# Allegro board SDHCalFEB.brd (continued)
## Routing (per net, layer and track width the routed paths; a pad name or vN(x,y) marks a point on that pad's centre or on a via; arc(x,y) is an arc through that point) (continued)
V_BG_ASIC_B7: length 10.9
  TOP w0.305: v2(65.24,203.52) U520.70 65.24,200.95 65.09,200.8 C682.2 ; v2(67.32,197.71) R650.2
  GND1 w0.305: v3(67.32,198.45) v2(67.32,197.71) ; v2(65.24,203.52) v3(65.24,202.78)
  SIG3 w0.305: v3(65.24,202.78) 67.32,200.7 v3(67.32,198.45)
V_BG_ASIC_C1: length 10.5
  TOP w0.305: v2(305.27,123.51) U585.70 305.27,120.37 C769.2 ; v2(307.5,117.93) R733.2
  GND1 w0.305: v2(305.27,123.51) v3(305.27,122.77) ; v2(307.5,117.93) v3(307.5,118.67)
  SIG3 w0.305: v3(305.27,122.77) 307.5,120.54 v3(307.5,118.67)
V_BG_ASIC_C2: length 10.9
  TOP w0.254: v2(227.39,117.7) R817.2
  TOP w0.305: C856.2 225.26,120.42 U650.70 v2(225.26,123.51)
  GND1 w0.254: v2(225.26,123.51) v3(225.26,122.77) ; v3(227.39,118.44) v2(227.39,117.7)
  SIG3 w0.254: v3(227.39,118.44) 225.26,120.57 v3(225.26,122.77)
V_BG_ASIC_C3: length 10.9
  TOP w0.254: U715.70 v2(145.25,123.51) ; v2(147.42,117.68) R900.2
  TOP w0.305: U715.70 145.25,120.99 145.15,120.89 C943.2
  GND1 w0.254: v2(145.25,123.51) v3(145.25,122.77) ; v3(147.42,118.41) v2(147.42,117.68)
  SIG3 w0.254: v3(145.25,122.77) 145.25,120.59 v3(147.42,118.41)
V_BG_ASIC_C4: length 10.9
  TOP w0.305: v2(65.24,123.51) U780.70 65.24,120.97 65.09,120.82 C1030.2
  TOP w0.508: v2(67.42,117.68) R983.2
  GND1 w0.508: v2(67.42,117.68) 67.41,117.69 67.41,118.41 v3(67.41,118.41) ; v2(65.24,123.51) v3(65.24,122.77)
  SIG3 w0.508: v3(65.24,122.77) 65.24,120.59 v3(67.41,118.41)
V_BG_ASIC_D1: length 10.9
  TOP w0.305: C1117.2 305.1,40.66 305.27,40.83 U845.70 v2(305.27,43.5)
  TOP w0.508: R1066.2 v2(307.34,37.69)
  GND1 w0.508: v3(305.27,42.76) v2(305.27,43.5) ; v2(307.34,37.69) v3(307.34,38.43)
  SIG2 w0.508: v3(305.27,42.76) 305.27,40.5 v3(307.34,38.43)
V_BG_ASIC_D2: length 11.2
  TOP w0.305: v2(225.26,43.68) U910.70 225.26,40.8 225.11,40.66 C1203.2
  TOP w0.508: v2(227.34,37.72) R1150.2
  GND1 w0.508: v2(225.26,43.68) v3(225.26,42.94) ; v3(227.34,38.46) v2(227.34,37.72)
  SIG2 w0.508: v3(227.34,38.46) 225.26,40.54 v3(225.26,42.94)
V_BG_ASIC_D3: length 10.8
  TOP w0.254: R1233.2 v2(147.35,37.72)
  TOP w0.305: v2(145.25,43.5) U975.70 145.25,40.46 C1290.2
  GND1 w0.254: v3(145.25,42.76) v2(145.25,43.5) ; v2(147.35,37.72) v3(147.35,38.46)
  SIG2 w0.254: v3(145.25,42.76) 147.35,40.65 v3(147.35,38.46)
V_BG_ASIC_D4: length 10.9
  TOP w0.254: v2(67.34,37.67) R1316.2 ; U1040.70 v2(65.24,43.5)
  TOP w0.305: C1377.2 65.09,40.81 65.24,40.96 U1040.70
  GND1 w0.254: v2(67.34,37.67) v3(67.34,38.4) ; v2(65.24,43.5) v3(65.24,42.76)
  SIG2 w0.254: v3(67.34,38.4) 67.34,40.65 v3(65.24,42.76)
VAL_EVTN: length 46.3
  TOP w0.102: U1054.7 353.21,150.14 353.73,149.62 360.11,149.62 373.67,163.18 392.17,163.18 J34.B2
VAL_EVTN_A: length 288.1
  TOP w0.102: U65.94 313.64,293.62 313.43,293.4 312.78,293.4 v2(312.48,293.7) ; v2(236.7,293.7) 236.4,293.4 235.75,293.4 235.53,293.62 U130.94 ; v2(156.48,293.7) 156.18,293.4 155.74,293.4 155.52,293.62 U195.94 ; R2605.1 336.73,287.98 336.63,288.08 v2(336.63,288.52) ; R322.2 78.64,293.42 76.76,293.42 v2(76.47,293.7) 76.18,293.4 75.73,293.4 75.51,293.62 U260.94
  GND1 w0.102: v2(76.47,293.7) 76.77,293.4 77.53,293.4 v3(77.91,293.78) ; v2(336.63,288.52) 336.2,288.52 336.16,288.56 335.89,288.84 v3(335.89,289.36) ; v2(156.48,293.7) 156.78,293.4 157.48,293.4 v3(157.85,293.77) ; v2(312.48,293.7) 312.18,293.41 311.42,293.41 v3(311.05,293.78) ; v3(238.13,293.77) 237.76,293.4 237,293.4 v2(236.7,293.7)
  SIG2 w0.102: v3(335.89,289.36) 335.36,289.36 334.15,290.58 322.23,290.58 319.41,293.4 311.43,293.4 v3(311.05,293.78) 310.68,293.4 305.24,293.4 301.78,289.94 252.25,289.94 250.75,291.44 242.63,291.44 240.67,293.4 238.5,293.4 v3(238.13,293.77) 237.76,293.4 209.43,293.4 208.33,292.3 203.12,292.3 201.19,294.23 170.94,294.23 170.11,293.4 158.22,293.4 v3(157.85,293.77) 157.48,293.4 128.1,293.4 126.26,291.57 82.37,291.57 80.54,293.4 78.28,293.4 v3(77.91,293.78)
VAL_EVTN_B: length 287
  TOP w0.102: v2(232.67,213.69) 232.97,213.39 233.42,213.39 233.63,213.61 U390.94 ; v2(72.69,213.69) 72.99,213.39 73.4,213.39 73.61,213.61 U520.94 75.51,213.61 75.73,213.39 77.4,213.39 R655.2 ; v2(152.66,213.69) 152.96,213.39 153.41,213.39 153.62,213.61 U455.94 ; R2613.1 334.32,207.78 333.65,207.78 v2(333.36,208.08) ; v2(312.68,213.69) 312.98,213.39 313.43,213.39 313.64,213.61 U325.94
  GND1 w0.102: v2(72.69,213.69) 72.99,213.39 73.65,213.39 v3(74.02,213.76) ; v3(314.11,213.76) 313.74,213.39 312.98,213.39 v2(312.68,213.69) ; v2(333.36,208.08) 333.06,207.78 332.49,207.78 v3(332.11,208.15) ; v2(152.66,213.69) 152.96,213.39 153.56,213.39 v3(153.93,213.76) ; v3(234.1,213.76) 233.73,213.39 232.97,213.39 v2(232.67,213.69)
  SIG2 w0.102: v3(74.02,213.76) 74.42,213.37 100.27,213.37 101.32,214.43 124.05,214.43 125.09,213.39 153.56,213.39 v3(153.93,213.76) 154.3,213.39 178.7,213.39 179.71,214.4 203.89,214.4 204.93,213.36 233.7,213.36 v3(234.1,213.76) 234.48,213.39 255.35,213.39 257.25,211.48 287.3,211.48 289.21,213.39 313.74,213.39 v3(314.11,213.76) 314.5,213.37 318.94,213.37 320.71,211.59 327.01,211.59 330.83,207.78 331.74,207.78 v3(332.11,208.15)
VAL_EVTN_C: length 298.4
  TOP w0.102: R988.2 77.6,133.38 75.73,133.38 75.51,133.6 U780.94 73.61,133.6 73.4,133.38 72.95,133.38 v2(72.65,133.68) ; R2621.1 341.83,145.87 339.32,145.87 v2(339.04,146.15) ; U650.94 233.64,133.6 233.42,133.38 232.97,133.38 v2(232.67,133.68) ; U715.94 153.62,133.6 153.41,133.38 152.96,133.38 v2(152.66,133.68) ; v2(312.68,133.68) 312.98,133.38 313.43,133.38 313.65,133.6 U585.94
  GND1 w0.102: v2(152.66,133.68) 152.96,133.38 153.41,133.38 v3(153.78,133.75) ; v3(234.1,133.75) 233.73,133.38 232.97,133.38 v2(232.67,133.68) ; v2(312.68,133.68) 312.98,133.38 313.64,133.38 v3(314.01,133.75) ; v2(72.65,133.68) 72.95,133.38 73.43,133.38 v3(73.8,133.75) ; v3(337.79,146.24) 338.17,145.87 338.75,145.87 v2(339.04,146.15)
  SIG1 w0.102: v3(314.01,133.75) 314.38,133.38 320.05,133.38 332.53,145.87 337.42,145.87 v3(337.79,146.24)
  SIG2 w0.102: v3(73.8,133.75) 74.17,133.38 97.25,133.38 98.99,131.64 127.75,131.64 129.5,133.38 153.41,133.38 v3(153.78,133.75) 154.15,133.38 174.57,133.38 176.33,131.62 207.21,131.62 208.97,133.38 233.73,133.38 v3(234.1,133.75) 234.47,133.38 256.61,133.38 258.35,131.64 288,131.64 289.74,133.38 313.64,133.38 v3(314.01,133.75)
VAL_EVTN_D: length 288.6
  TOP w0.102: U975.94 153.63,53.59 153.41,53.37 152.96,53.37 v2(152.66,53.67) ; R1321.2 78.14,53.37 75.73,53.37 75.51,53.59 U1040.94 73.61,53.59 73.4,53.37 72.95,53.37 v2(72.65,53.67) ; v2(232.67,53.67) 232.97,53.37 233.42,53.37 233.64,53.59 U910.94 ; v2(312.68,53.67) 312.98,53.37 313.43,53.37 313.65,53.59 U845.94 315.54,53.59 315.76,53.37 320.92,53.37 323.09,51.21 334.03,51.21 339.65,56.82 339.67,56.82 R2629.1
  GND1 w0.102: v3(153.84,53.74) 153.47,53.37 152.96,53.37 v2(152.66,53.67) ; v2(72.65,53.67) 72.95,53.37 73.43,53.37 v3(73.8,53.74) ; v2(232.67,53.67) 232.97,53.37 233.45,53.37 v3(233.82,53.74) ; v2(312.68,53.67) 312.98,53.37 313.44,53.37 v3(313.81,53.74)
  SIG2 w0.102: v3(313.81,53.74) 313.44,53.37 234.19,53.37 v3(233.82,53.74) 233.45,53.37 154.21,53.37 v3(153.84,53.74) 153.46,53.37 74.18,53.37 v3(73.8,53.74)
VAL_EVTP: length 46.3
  TOP w0.102: U1054.6 353.21,148.87 353.75,149.4 360.2,149.4 373.76,162.96 392.17,162.96 J34.B1
VAL_EVTP_A: length 287.9
  TOP w0.102: v2(312.48,292.89) 312.78,293.19 313.43,293.19 313.64,292.97 U65.93 ; U130.93 235.53,292.97 235.75,293.19 236.4,293.19 v2(236.7,292.89) ; R2606.1 336.55,287.83 336.44,287.94 v2(336.05,287.94) ; v2(156.48,292.89) 156.18,293.19 155.74,293.19 155.52,292.97 U195.93 ; U260.93 75.51,292.97 75.73,293.19 76.18,293.19 v2(76.47,292.89) 76.79,293.2 78.65,293.2 R322.1
  GND1 w0.102: v3(335.21,288.68) 335.73,288.68 335.95,288.47 336.05,288.37 v2(336.05,287.94) ; v3(157.85,292.82) 157.48,293.19 156.78,293.19 v2(156.48,292.89) ; v2(76.47,292.89) 76.77,293.19 77.53,293.19 v3(77.91,292.82) ; v2(236.7,292.89) 237,293.19 237.76,293.19 v3(238.13,292.82) ; v3(311.05,292.82) 311.42,293.19 312.17,293.19 v2(312.48,292.89)
  SIG2 w0.102: v3(77.91,292.82) 78.28,293.19 80.45,293.19 82.28,291.35 126.35,291.35 128.19,293.19 157.48,293.19 v3(157.85,292.82) 158.22,293.19 170.2,293.19 171.03,294.02 201.1,294.02 203.03,292.09 208.42,292.09 209.52,293.19 237.76,293.19 v3(238.13,292.82) 238.5,293.19 240.58,293.19 242.54,291.22 250.66,291.22 252.16,289.73 301.87,289.73 305.33,293.19 310.68,293.19 v3(311.05,292.82) 311.41,293.18 319.32,293.18 322.14,290.36 334.06,290.36 335.21,289.21 v3(335.21,288.68)
VAL_EVTP_B: length 286.9
  TOP w0.102: R655.1 77.35,213.18 75.73,213.18 75.51,212.96 U520.93 73.61,212.96 73.4,213.18 72.99,213.18 v2(72.69,212.88) ; U455.93 153.62,212.96 153.41,213.18 152.96,213.18 v2(152.66,212.88) ; v2(312.68,212.88) 312.98,213.18 313.43,213.18 313.64,212.96 U325.93 ; U390.93 233.63,212.96 233.42,213.18 232.97,213.18 v2(232.67,212.88) ; R2614.1 334.32,207.56 333.65,207.56 v2(333.36,207.26)
  GND1 w0.102: v3(234.1,212.8) 233.73,213.18 232.97,213.18 v2(232.67,212.88) ; v3(314.11,212.81) 313.74,213.18 312.98,213.18 v2(312.68,212.88) ; v2(72.69,212.88) 72.99,213.18 73.65,213.18 v3(74.02,212.81) ; v3(153.93,212.8) 153.56,213.18 152.96,213.18 v2(152.66,212.88) ; v3(332.11,207.19) 332.49,207.56 333.06,207.56 v2(333.36,207.26)
  SIG2 w0.102: v3(74.02,212.81) 74.38,213.16 100.36,213.16 101.41,214.21 123.96,214.21 125,213.18 153.56,213.18 v3(153.93,212.8) 154.3,213.18 178.79,213.18 179.79,214.19 203.8,214.19 204.84,213.14 233.76,213.14 v3(234.1,212.8) 234.47,213.17 255.26,213.17 257.16,211.26 287.39,211.26 289.3,213.18 313.74,213.18 v3(314.11,212.81) 314.46,213.16 318.85,213.16 320.62,211.38 326.92,211.38 330.74,207.56 331.74,207.56 v3(332.11,207.19)
VAL_EVTP_C: length 298.4
  TOP w0.102: R2622.1 341.83,145.65 339.35,145.65 v2(339.04,145.34) ; v2(152.66,132.87) 152.96,133.17 153.41,133.17 153.62,132.95 U715.93 ; v2(232.67,132.87) 232.97,133.17 233.42,133.17 233.64,132.95 U650.93 ; R988.1 77.6,133.17 75.73,133.17 75.51,132.95 U780.93 73.61,132.95 73.4,133.17 72.95,133.17 v2(72.65,132.87) ; U585.93 313.65,132.95 313.43,133.17 312.98,133.17 v2(312.68,132.87)
  GND1 w0.102: v2(312.68,132.87) 312.98,133.17 313.64,133.17 v3(314.01,132.8) ; v2(339.04,145.34) 338.73,145.65 338.17,145.65 v3(337.79,145.28) ; v3(73.8,132.8) 73.43,133.17 72.95,133.17 v2(72.65,132.87) ; v2(232.67,132.87) 232.97,133.17 233.73,133.17 v3(234.1,132.8) ; v2(152.66,132.87) 152.96,133.17 153.41,133.17 v3(153.78,132.8)
  SIG1 w0.102: v3(314.01,132.8) 314.38,133.17 320.14,133.17 332.62,145.65 337.42,145.65 v3(337.79,145.28)
  SIG2 w0.102: v3(73.8,132.8) 74.17,133.17 97.16,133.17 98.9,131.43 127.84,131.43 129.59,133.17 153.41,133.17 v3(153.78,132.8) 154.15,133.17 174.48,133.17 176.24,131.41 207.3,131.41 209.06,133.17 233.73,133.17 v3(234.1,132.8) 234.47,133.17 256.52,133.17 258.26,131.43 288.09,131.43 289.83,133.17 313.64,133.17 v3(314.01,132.8)
VAL_EVTP_D: length 288.9
  TOP w0.102: v2(312.68,52.86) 312.98,53.16 313.43,53.16 313.65,52.94 U845.93 315.54,52.94 315.76,53.16 320.83,53.16 323,50.99 334.12,50.99 339.74,56.61 R2630.1 ; U975.93 153.62,52.94 153.41,53.16 152.96,53.16 v2(152.66,52.86) ; R1321.1 78.19,53.16 75.73,53.16 75.51,52.94 U1040.93 73.61,52.94 73.4,53.16 72.95,53.16 v2(72.65,52.86) ; v2(232.67,52.86) 232.97,53.16 233.42,53.16 233.64,52.94 U910.93
  GND1 w0.102: v3(233.82,52.78) 233.45,53.16 232.97,53.16 v2(232.67,52.86) ; v2(152.66,52.86) 152.96,53.16 153.47,53.16 v3(153.84,52.78) ; v3(73.8,52.78) 73.43,53.16 72.95,53.16 v2(72.65,52.86) ; v2(312.68,52.86) 312.98,53.16 313.44,53.16 v3(313.81,52.78)
  SIG2 w0.102: v3(73.8,52.78) 74.17,53.15 153.47,53.15 v3(153.84,52.78) 154.21,53.16 233.45,53.16 v3(233.82,52.78) 234.19,53.16 313.44,53.16 v3(313.81,52.78)
VREF1.25V: length 11.7
  TOP w0.254: 265.02,349 C1394.1 ; C1394.1 266.21,350.32 ; C1394.1 263.82,350.32 ; C1394.1 265.02,351.64 ; 266.39,347.21 U1041.6 265.68,346.72 ; 265.68,345.77 U1041.5
  TOP w0.305: U1041.5 U1041.6 268.26,346.72 C1393.1 268.74,347.21 U1044.6
VREF_DAC_ASIC_A1: length 2.1
  TOP w0.305: U65.71 305.92,280.4 C69.2
VREF_DAC_ASIC_A2: length 2.2
  TOP w0.305: C156.2 225.91,280.35 U130.71
VREF_DAC_ASIC_A3: length 2.2
  TOP w0.305: C243.2 145.9,280.31 U195.71
VREF_DAC_ASIC_A4: length 2.1
  TOP w0.305: U260.71 65.89,280.26 C330.2
VREF_DAC_ASIC_B1: length 2.2
  TOP w0.305: U325.71 305.92,200.99 306.04,200.87 C417.2
VREF_DAC_ASIC_B5: length 2.2
  TOP w0.305: U390.71 225.91,200.96 226.1,200.77 C504.2
VREF_DAC_ASIC_B6: length 2.1
  TOP w0.305: C591.2 146.09,200.97 145.9,201.17 U455.71
VREF_DAC_ASIC_B7: length 2.1
  TOP w0.305: U520.71 65.89,200.99 66.08,200.8 C678.2
VREF_DAC_ASIC_C1: length 2.1
  TOP w0.305: C765.2 306.21,120.81 305.92,121.11 U585.71
VREF_DAC_ASIC_C2: length 2.1
  TOP w0.305: U650.71 225.91,120.56 C852.2
VREF_DAC_ASIC_C3: length 2.1
  TOP w0.305: U715.71 145.9,121.01 146.14,120.76 C939.2
VREF_DAC_ASIC_C4: length 2.1
  TOP w0.305: C1026.2 66.13,120.81 65.89,121.06 U780.71
VREF_DAC_ASIC_D1: length 2.1
  TOP w0.305: U845.71 305.92,40.89 306.09,40.73 C1113.2
VREF_DAC_ASIC_D2: length 2.1
  TOP w0.305: C1200.2 226.1,40.7 225.91,40.89 U910.71
VREF_DAC_ASIC_D3: length 2.1
  TOP w0.305: C1287.2 145.9,40.53 U975.71
VREF_DAC_ASIC_D4: length 2.1
  TOP w0.305: C1374.2 66.08,40.88 65.89,41.07 U1040.71
VREF_PA_ASIC_A1: length 2.1
  TOP w0.305: U65.61 299.42,280.7 C67.2
VREF_PA_ASIC_A2: length 2.2
  TOP w0.305: C154.2 219.75,280.99 219.41,281.33 U130.61
VREF_PA_ASIC_A3: length 2.2
  TOP w0.305: C241.2 139.74,280.89 139.4,281.23 U195.61
VREF_PA_ASIC_A4: length 2.2
  TOP w0.305: U260.61 59.39,281.07 59.74,280.72 C328.2
VREF_PA_ASIC_B1: length 2.2
  TOP w0.305: U325.61 299.42,201.32 299.79,200.95 C415.2
VREF_PA_ASIC_B5: length 2.2
  TOP w0.305: C502.2 219.77,200.98 219.41,201.34 U390.61
VREF_PA_ASIC_B6: length 2.1
  TOP w0.305: C589.2 139.74,201.05 139.4,201.39 U455.61
VREF_PA_ASIC_B7: length 2.1
  TOP w0.305: U520.61 59.39,201.29 59.73,200.95 C676.2
VREF_PA_ASIC_C1: length 2.2
  TOP w0.305: C763.2 299.74,120.91 299.42,121.23 U585.61
VREF_PA_ASIC_C2: length 2.2
  TOP w0.305: C850.2 219.75,121.01 219.41,121.36 U650.61
VREF_PA_ASIC_C3: length 2.1
  TOP w0.254: U715.61 139.4,121.31 139.72,120.99 C937.2
VREF_PA_ASIC_C4: length 2.1
  TOP w0.305: C1024.2 59.73,120.7 59.39,121.04 U780.61
VREF_PA_ASIC_D1: length 2.1
  TOP w0.305: C1111.2 299.76,40.8 299.42,41.14 U845.61
VREF_PA_ASIC_D2: length 2.1
  TOP w0.305: U910.61 219.41,41.22 219.73,40.9 C1198.2
VREF_PA_ASIC_D3: length 2.1
  TOP w0.305: U975.61 139.4,41.2 139.72,40.88 C1285.2
VREF_PA_ASIC_D4: length 2.1
  TOP w0.305: C1372.2 59.71,40.85 59.39,41.17 U1040.61
VREF_SH_ASIC_A1: length 2.3
  TOP w0.305: C68.2 300.75,280.83 300.07,281.52 U65.62
VREF_SH_ASIC_A2: length 2.3
  TOP w0.305: C155.2 220.71,280.91 220.06,281.57 U130.62
VREF_SH_ASIC_A3: length 2.3
  TOP w0.305: C242.2 140.73,280.76 140.05,281.44 U195.62
VREF_SH_ASIC_A4: length 2.3
  TOP w0.305: C329.2 60.73,280.77 60.04,281.47 U260.62
VREF_SH_ASIC_B1: length 2.3
  TOP w0.305: U325.62 300.07,201.56 300.78,200.85 C416.2
VREF_SH_ASIC_B5: length 2.3
  TOP w0.305: U390.62 220.06,201.48 220.76,200.77 C503.2
VREF_SH_ASIC_B6: length 2.3
  TOP w0.305: U455.62 140.05,201.51 140.73,200.82 C590.2
VREF_SH_ASIC_B7: length 2.3
  TOP w0.305: U520.62 60.04,201.51 60.75,200.8 C677.2
VREF_SH_ASIC_C1: length 2.3
  TOP w0.305: U585.62 300.07,121.49 300.73,120.84 C764.2
VREF_SH_ASIC_C2: length 2.3
  TOP w0.305: C851.2 220.74,120.86 220.06,121.55 U650.62
VREF_SH_ASIC_C3: length 2.3
  TOP w0.254: C938.2 140.71,120.84 140.05,121.5 U715.62
VREF_SH_ASIC_C4: length 2.3
  TOP w0.305: C1025.2 60.72,120.71 60.04,121.39 U780.62
VREF_SH_ASIC_D1: length 2.3
  TOP w0.305: U845.62 300.07,41.41 300.75,40.73 C1112.2
VREF_SH_ASIC_D2: length 2.3
  TOP w0.305: U910.62 220.06,41.46 220.72,40.8 C1199.2
VREF_SH_ASIC_D3: length 2.3
  TOP w0.305: C1286.2 140.73,40.75 140.05,41.44 U975.62
VREF_SH_ASIC_D4: length 2.3
  TOP w0.305: U1040.62 60.04,41.44 60.7,40.78 C1373.2
VTH0_ASIC_A1: length 2.2
  TOP w0.305: U65.79 311.12,280.85 311.61,280.36 C71.2
VTH0_ASIC_A2: length 2.3
  TOP w0.305: C158.2 231.58,280.84 231.11,281.31 U130.79
VTH0_ASIC_A3: length 2.3
  TOP w0.305: C245.2 151.88,280.78 151.1,281.57 U195.79
VTH0_ASIC_A4: length 2.4
  TOP w0.305: C332.2 71.81,280.75 71.09,281.47 U260.79
VTH0_ASIC_B1: length 2.5
  TOP w0.305: C419.2 311.78,200.77 311.12,201.43 U325.79
VTH0_ASIC_B5: length 2.4
  TOP w0.305: C506.2 231.91,200.67 231.11,201.48 U390.79
VTH0_ASIC_B6: length 2.3
  TOP w0.305: U455.79 151.1,201.53 151.81,200.82 C593.2
VTH0_ASIC_B7: length 2.3
  TOP w0.305: U520.79 71.09,201.46 71.87,200.67 C680.2
VTH0_ASIC_C1: length 2.3
  TOP w0.305: C767.2 311.93,120.61 311.12,121.42 U585.79
VTH0_ASIC_C2: length 2.4
  TOP w0.305: C854.2 231.82,120.58 231.11,121.29 U650.79
VTH0_ASIC_C3: length 2.3
  TOP w0.305: U715.79 151.1,121.37 151.76,120.71 C941.2
VTH0_ASIC_C4: length 2.3
  TOP w0.305: C1028.2 71.85,120.68 71.09,121.44 U780.79
VTH0_ASIC_D1: length 2.3
  TOP w0.305: C1115.2 311.83,40.62 311.12,41.33 U845.79
VTH0_ASIC_D2: length 2.3
  TOP w0.305: U910.79 231.11,41.2 231.74,40.57 C1204.2
VTH0_ASIC_D3: length 2.2
  TOP w0.305: C1291.2 151.65,40.73 151.1,41.28 U975.79
VTH0_ASIC_D4: length 2.3
  TOP w0.305: C1378.2 71.67,40.85 71.09,41.43 U1040.79
VTH1_ASIC_A1: length 2.1
  TOP w0.305: U65.78 310.47,280.54 C74.2
VTH1_ASIC_A2: length 2.2
  TOP w0.305: U130.78 230.46,280.79 230.59,280.66 C161.2
VTH1_ASIC_A3: length 2.2
  TOP w0.305: C248.2 150.89,280.91 150.45,281.35 U195.78
VTH1_ASIC_A4: length 2.3
  TOP w0.305: U260.78 70.44,281.12 70.82,280.75 C335.2
VTH1_ASIC_B1: length 2.3
  TOP w0.305: U325.78 310.47,201.06 310.79,200.74 C422.2
VTH1_ASIC_B5: length 2.2
  TOP w0.305: C509.2 230.92,200.7 230.46,201.16 U390.78
VTH1_ASIC_B6: length 2.2
  TOP w0.305: U455.78 150.45,201.27 150.82,200.9 C596.2
VTH1_ASIC_B7: length 2.2
  TOP w0.305: U520.78 70.44,201.29 70.88,200.85 C683.2
VTH1_ASIC_C1: length 2.2
  TOP w0.305: C770.2 310.94,120.76 310.47,121.23 U585.78
VTH1_ASIC_C2: length 2.3
  TOP w0.305: C857.2 230.83,120.71 230.46,121.08 U650.78
VTH1_ASIC_C3: length 2.2
  TOP w0.305: U715.78 150.45,121.23 150.74,120.94 C944.2
VTH1_ASIC_C4: length 2.2
  TOP w0.305: C1031.2 70.83,120.76 70.44,121.15 U780.78
VTH1_ASIC_D1: length 2.2
  TOP w0.305: C1118.2 310.84,40.7 310.47,41.07 U845.78
VTH1_ASIC_D2: length 2.2
  TOP w0.305: C1202.2 230.75,40.67 230.46,40.97 U910.78
VTH1_ASIC_D3: length 2.1
  TOP w0.305: U975.78 150.45,41.07 150.66,40.85 C1289.2
VTH1_ASIC_D4: length 2.1
  TOP w0.305: C1376.2 70.68,40.88 70.44,41.12 U1040.78
VTH2_ASIC_A1: length 2.1
  TOP w0.305: C72.2 309.82,280.47 U65.77
VTH2_ASIC_A2: length 2.2
  TOP w0.305: C159.2 229.63,280.66 229.81,280.84 U130.77
VTH2_ASIC_A3: length 2
  TOP w0.305: U195.77 149.8,280.45 C246.2
VTH2_ASIC_A4: length 2.1
  TOP w0.305: C333.2 69.79,280.28 U260.77
VTH2_ASIC_B1: length 2.2
  TOP w0.305: C420.2 309.82,200.17 U325.77
VTH2_ASIC_B5: length 2.1
  TOP w0.305: C507.2 229.93,201.03 229.81,201.15 U390.77
VTH2_ASIC_B6: length 2
  TOP w0.305: U455.77 149.8,200.33 C594.2
VTH2_ASIC_B7: length 2
  TOP w0.305: C681.2 69.89,201.13 69.79,201.23 U520.77
VTH2_ASIC_C1: length 2.1
  TOP w0.305: C768.2 309.95,120.96 309.82,121.09 U585.77
VTH2_ASIC_C2: length 2.1
  TOP w0.305: C855.2 229.81,120.25 U650.77
VTH2_ASIC_C3: length 2.1
  TOP w0.305: C942.2 149.8,120.32 U715.77
VTH2_ASIC_C4: length 2.1
  TOP w0.305: U780.77 69.79,120.35 C1029.2
VTH2_ASIC_D1: length 2.1
  TOP w0.305: U845.77 309.82,40.29 C1116.2
VTH2_ASIC_D2: length 2.1
  TOP w0.305: C1205.2 229.81,40.36 U910.77
VTH2_ASIC_D3: length 2.1
  TOP w0.305: C1292.2 149.8,40.43 U975.77
VTH2_ASIC_D4: length 2.1
  TOP w0.305: C1379.2 69.79,40.38 U1040.77
N224768: length 18.2
  TOP w0.254: C1461.1 378.35,106.67 ; C1461.1 377.6,105.99 ; C1461.1 376.85,106.67 ; L2.1 371.74,107.63 ; L2.1 373.51,106.69 ; L2.1 369.98,106.69 ; L2.1 371.74,105.75 ; C1467.2 375.29,102.18 ; C1467.2 374.71,102.81 ; C1467.2 374.71,101.56 ; C1467.2 374.12,102.18 ; U1076.20 379.11,105.26 ; U1076.20 U1076.19 ; U1076.20 378.81,104.67 ; 374.14,103.68 R2515.1 ; R2515.1 374.7,104.27 ; R2515.1 375.26,103.68 ; R2515.1 374.7,103.1 ; 377.78,103.92 U1076.1 378.36,104.23 ; 374.23,106.68 C1463.1 ; C1463.1 375.23,105.8 ; C1463.1 376.24,106.68 ; 378.85,106.67 C1462.1
N224788: length 2.1
  TOP w0.203: C1468.1 381.89,102.9 U1076.13
N224836: length 2.4
  TOP w0.203: C1467.1 376.97,102.92 U1076.3
N224884: length 2.6
  TOP w0.203: U1076.12 382.62,102.42 383.64,101.4 R2513.2
N225120: length 3.3
  TOP w0.203: R2520.2 376.58,100.3 378.2,101.92 U1076.5
N225194: length 2.2
  TOP w0.203: R2521.2 378,99.67 379.11,100.78 U1076.6
N225214: length 1.8
  TOP w0.203: U1076.7 379.61,100.72 379.43,100.53 R2522.2
N225218: length 1.8
  TOP w0.203: R2523.2 380.85,100.48 380.61,100.72 U1076.9
N225222: length 2.2
  TOP w0.203: R2524.2 382.27,99.67 381.11,100.83 U1076.10
N225226: length 3.5
  TOP w0.203: R2525.2 383.26,99.87 383.26,100.91 382.25,101.92 U1076.11
N229854: length 2.4
  TOP w0.508: D6.1 R2512.1
N266042: length 3.6
  TOP w0.406: R1354.2 R1352.2 241.89,352.57 U1045.6
N332832: length 147.9
  TOP w0.102: R2623.2 322.1,57.27 322.81,57.27 v2(323.11,57.57) ; U1057.16 348.28,177.39 348.81,177.92 349.45,177.92 v1(349.75,177.62)
  GND1 w0.102: v2(323.11,57.57) 323.41,57.27 324.17,57.27 v3(324.54,57.64)
  SIG2 w0.102: v3(324.54,57.64) 324.92,57.27 333.44,57.27 341.41,65.24 341.41,172.61 344.69,175.88 346.97,175.88 arc(347.12,175.94) 347.18,176.09 347.18,176.15 arc(347.38,176.35) 347.58,176.15 347.58,176.09 arc(347.64,175.94) 347.79,175.88 350.08,175.88 350.74,176.54 350.74,177.68 350.5,177.92 350.05,177.92 v1(349.75,177.62)
N332842: length 148
  TOP w0.102: U1057.15 348.28,178.66 348.81,178.14 349.45,178.14 v1(349.75,178.44) ; v2(323.11,56.76) 322.81,57.05 322.1,57.05 R2624.2
  GND1 w0.102: v2(323.11,56.76) 323.41,57.05 324.17,57.05 v3(324.54,56.68)
  SIG2 w0.102: v1(349.75,178.44) 350.05,178.14 350.59,178.14 350.95,177.77 350.95,176.45 350.17,175.67 344.78,175.67 341.63,172.52 341.63,65.15 333.53,57.05 324.92,57.05 v3(324.54,56.68)
N332856: length 130.1
  TOP w0.102: R2625.2 326.46,56.03 326.56,55.93 326.56,55.51 326.67,55.4 327.43,55.4 v2(327.72,55.7) ; U1055.16 348.31,165.63 348.86,166.18 349.61,166.18 v1(349.92,165.86)
  GND1 w0.102: v2(327.72,55.7) 328.02,55.4 328.6,55.4 v3(328.97,55.78)
  SIG2 w0.102: v3(328.97,55.78) 329.34,55.4 330.03,55.4 330.89,56.26 333.65,56.26 342.28,64.89 342.28,155.87 349.15,162.74 arc(349.21,162.89) 349.15,163.03 349.1,163.09 arc(349.1,163.37) 349.39,163.37 349.44,163.32 arc(349.59,163.26) 349.73,163.32 350.69,164.28 350.69,165.8 350.32,166.16 350.22,166.16 v1(349.92,165.86)
N332862: length 130.2
  TOP w0.102: v2(327.72,54.89) 327.43,55.19 326.67,55.19 326.56,55.09 326.56,54.66 326.46,54.56 R2626.2 ; U1055.15 348.34,166.9 348.85,166.4 349.64,166.4 v1(349.92,166.68)
  GND1 w0.102: v2(327.72,54.89) 328.02,55.19 328.6,55.19 v3(328.97,54.82)
  SIG2 w0.102: v1(349.92,166.68) 350.22,166.38 350.41,166.38 350.9,165.89 350.9,164.19 342.49,155.78 342.49,64.8 333.74,56.05 330.98,56.05 330.12,55.19 329.34,55.19 v3(328.97,54.82)
N332880: length 122
  TOP w0.102: v1(349.61,154.1) 349.32,154.39 348.81,154.39 348.28,153.87 U1056.16 ; R2627.2 330.17,53.09 330.54,53.09 331.02,53.58 v2(331.02,54.05)
  GND1 w0.102: v3(331.87,55) 331.87,54.48 331.45,54.05 v2(331.02,54.05)
  SIG2 w0.102: v3(331.87,55) 332.4,55 332.69,55.3 335.61,55.3 343.14,62.83 343.14,147.89 344.31,149.06 349.19,149.06 350.2,150.07 arc(350.26,150.21) 350.2,150.36 350.15,150.4 arc(350.15,150.69) 350.44,150.69 350.48,150.64 arc(350.63,150.58) 350.77,150.64 352.08,151.96 352.08,154.06 351.74,154.4 349.91,154.4 v1(349.61,154.1)
N332886: length 122.1
  TOP w0.102: v2(331.6,53.48) 331.23,53.48 330.63,52.88 330.17,52.88 R2628.2 ; U1056.15 348.28,155.14 348.82,154.61 349.31,154.61 v1(349.61,154.91)
  GND1 w0.102: v2(331.6,53.48) 331.6,53.9 331.84,54.14 332.02,54.33 v3(332.55,54.33)
  SIG2 w0.102: v1(349.61,154.91) 349.91,154.62 351.83,154.62 352.3,154.15 352.3,151.87 349.28,148.84 344.4,148.84 343.36,147.8 343.36,62.74 335.7,55.08 332.78,55.08 332.55,54.85 v3(332.55,54.33)
N332904: length 95.8
  TOP w0.102: U1054.16 348.31,142.52 348.84,143.05 349.43,143.05 v1(349.73,142.75) ; v1(342.27,59.76) 342.27,59.34 341.66,58.72 R2629.2
  SIG2 w0.102: v1(342.27,59.76) 342.69,59.76 344.02,61.08 344.02,138.89 346.16,141.03 348.04,141.03 arc(348.16,141.08) 348.21,141.2 arc(348.26,141.33) 348.39,141.38 348.45,141.38 arc(348.57,141.33) 348.62,141.2 arc(348.67,141.08) 348.79,141.03 350.2,141.03 350.91,141.74 350.91,142.76 350.63,143.05 350.03,143.05 v1(349.73,142.75)
N332910: length 95.9
  TOP w0.102: U1054.15 348.31,143.79 348.84,143.26 349.43,143.26 v1(349.73,143.56) ; v1(342.85,59.18) 342.42,59.18 341.83,58.59 341.83,57.68
  SIG2 w0.102: v1(349.73,143.56) 350.03,143.26 350.72,143.26 351.13,142.85 351.13,141.66 350.29,140.82 346.25,140.82 344.23,138.8 344.23,60.99 342.85,59.61 v1(342.85,59.18)
N1277074: length 112.4
  TOP w0.102: U1057.9 346.79,186.28 346.26,185.76 345.54,185.76 345.11,186.18 345.11,294.37 344.75,294.73 R2599.2
N1277078: length 112.6
  TOP w0.102: U1057.10 346.79,185.01 346.26,185.54 345.45,185.54 344.89,186.09 344.89,294.28 344.59,294.57 343.68,294.57
N1277196: length 123
  TOP w0.102: R2601.2 342.6,292.56 344.11,291.05 344.11,175.25 345.36,174 346.23,174 346.76,174.52 U1055.9
N1277200: length 123.2
  TOP w0.102: U1055.10 346.76,173.25 346.23,173.78 345.27,173.78 343.89,175.16 343.89,290.96 342.51,292.34 R2602.2
N1277502: length 131.1
  TOP w0.102: U1056.9 346.76,162.76 346.23,162.24 344.9,162.24 343.28,163.86 343.28,287.56 342.34,288.5 R2603.2
N1277506: length 131.3
  TOP w0.102: R2604.2 342.18,288.35 343.07,287.47 343.07,163.77 344.81,162.02 346.23,162.02 346.76,161.49 U1056.10
N1277510: length 141.7
  TOP w0.102: R2605.2 338.69,286.07 342.43,282.33 342.43,152.82 344.36,150.89 346.21,150.89 346.74,151.41 U1054.9
N1277514: length 142
  TOP w0.102: U1054.10 346.76,150.14 346.23,150.67 344.27,150.67 342.21,152.73 342.21,282.24 338.61,285.85 R2606.2
N1278164: length 51.1
  TOP w0.102: R2607.2 337.47,216.94 341.24,216.94 v1(341.55,217.25) ; v1(349.92,182.7) 349.63,183 348.81,183 348.28,182.47 U1057.12
  BOTTOM w0.102: v1(341.55,217.25) 341.85,216.95 342.51,216.95 343.69,215.77 343.69,188.9 344.94,187.64 350.05,187.64 351.74,185.95 351.74,183.95 350.79,183 350.22,183 v1(349.92,182.7)
N1278168: length 51
  TOP w0.102: v1(341.55,216.44) 341.27,216.72 337.47,216.72 R2608.2 ; U1057.11 348.28,183.74 348.81,183.22 349.63,183.22 v1(349.92,183.52)
  BOTTOM w0.102: v1(341.55,216.44) 341.85,216.74 342.42,216.74 343.47,215.68 343.47,188.81 344.85,187.43 348.48,187.43 arc(348.63,187.37) 348.69,187.22 348.69,187.12 arc(348.89,186.92) 349.09,187.12 349.09,187.22 arc(349.15,187.37) 349.3,187.43 349.96,187.43 351.52,185.86 351.52,184.04 350.7,183.22 350.22,183.22 v1(349.92,183.52)
N1278184: length 56.7
  TOP w0.102: U1055.12 348.28,170.71 348.81,171.24 349.38,171.24 v1(349.68,170.94) ; R2609.2 340.65,214.65 341.19,214.65 v1(341.45,214.91)
  BOTTOM w0.102: v1(349.68,170.94) 349.97,171.24 350.64,171.24 351.14,171.74 351.14,174.94 350.38,175.7 344.95,175.7 342.57,178.08 342.57,214.15 342.11,214.6 341.76,214.6 v1(341.45,214.91)
N1278188: length 56.6
  TOP w0.102: R2610.2 340.65,214.43 341.12,214.43 v1(341.45,214.1) ; U1055.11 348.28,171.98 348.81,171.46 349.38,171.46 v1(349.68,171.76)
  BOTTOM w0.102: v1(349.68,171.76) 349.97,171.46 350.55,171.46 350.93,171.83 350.93,174.85 350.29,175.49 349.85,175.49 arc(349.7,175.43) 349.64,175.29 349.64,175.23 arc(349.44,175.03) 349.24,175.23 349.24,175.29 arc(349.18,175.43) 349.03,175.49 344.86,175.49 342.35,177.99 342.35,214.06 342.02,214.39 341.74,214.39 v1(341.45,214.1)
N1278252: length 66.2
  TOP w0.102: v1(349.73,159.18) 349.43,159.48 348.81,159.48 348.28,158.95 U1056.12 ; R2611.2 338.21,211.45 339.1,211.45 339.34,211.21 v1(339.76,211.21)
  BOTTOM w0.102: v1(349.73,159.18) 350.03,159.48 350.41,159.48 350.89,159.96 350.89,162.14 349.07,163.96 342.67,163.96 340.58,166.05 340.58,209.97 339.76,210.79 v1(339.76,211.21)
N1278272: length 66.2
  TOP w0.102: R2612.2 338.21,211.23 339.01,211.23 339.19,211.06 v1(339.19,210.63) ; U1056.11 348.28,160.22 348.81,159.7 349.43,159.7 v1(349.73,159.99)
  BOTTOM w0.102: v1(349.73,159.99) 350.03,159.7 350.32,159.7 350.68,160.05 350.68,162.05 348.98,163.74 348.35,163.74 arc(348.2,163.68) 348.14,163.54 348.14,163.42 arc(347.94,163.22) 347.74,163.42 347.74,163.54 arc(347.68,163.68) 347.53,163.74 342.58,163.74 340.36,165.96 340.36,209.88 339.61,210.63 v1(339.19,210.63)
N1278276: length 74.4
  TOP w0.102: v1(339.78,206.68) 339.48,206.98 339.48,207.42 339.12,207.78 337.1,207.78 R2613.2 ; U1054.12 348.28,147.6 348.81,148.13 349.57,148.13 v1(349.87,147.83)
  BOTTOM w0.102: v1(349.87,147.83) 350.17,148.13 350.77,148.13 351.41,148.77 351.41,149.86 347.22,154.05 342.85,154.05 339.5,157.4 339.5,206.4 v1(339.78,206.68)
N1278280: length 73.7
  TOP w0.102: R2614.2 337.1,207.56 339.03,207.56 339.26,207.33 339.26,206.98 v1(338.96,206.68) ; U1054.11 348.28,148.87 348.81,148.34 349.57,148.34 v1(349.87,148.64)
  BOTTOM w0.102: v1(349.87,148.64) 350.17,148.34 350.68,148.34 351.19,148.86 351.19,149.77 347.13,153.84 342.76,153.84 339.28,157.32 339.28,206.36 v1(338.96,206.68)
N1279382: length 22.9
  TOP w0.102: U1057.13 346.76,181.2 346.23,180.68 345.73,180.68 v1(345.43,180.98) ; v2(331.3,170.65) 331.3,170.16 331.04,169.9 R2615.2
  GND1 w0.102: v3(331.97,171.41) 331.97,170.88 331.74,170.65 v2(331.3,170.65)
  SIG1 w0.102: v1(345.43,180.98) 345.13,180.68 341.76,180.68 332.49,171.41 v3(331.97,171.41)
N1279386: length 22.9
  TOP w0.102: R2616.2 331.21,169.76 331.52,170.08 v2(331.88,170.08) ; v1(345.43,180.16) 345.73,180.46 346.23,180.46 346.76,179.93 U1057.14
  GND1 w0.102: v2(331.88,170.08) 331.88,170.48 332.12,170.73 v3(332.65,170.73)
  SIG1 w0.102: v1(345.43,180.16) 345.13,180.46 342.8,180.46 arc(342.72,180.43) 342.69,180.35 arc(342.65,180.27) 342.57,180.24 342.39,180.24 arc(342.31,180.27) 342.28,180.35 arc(342.25,180.43) 342.17,180.46 341.85,180.46 332.65,171.26 v3(332.65,170.73)
N1279402: length 49.5
  TOP w0.102: v1(345.42,169.22) 345.72,168.92 346.23,168.92 346.76,169.44 U1055.13 ; R2617.2 321.38,135.92 321.95,135.92 322.44,136.41 322.44,138.77 322.98,139.31 v2(322.98,139.73)
  GND1 w0.102: v2(322.98,139.73) 323.4,139.73 323.62,139.95 324.12,140.45 v3(324.12,140.98)
  SIG1 w0.102: v3(324.12,140.98) 324.65,140.98 325.68,142.01 325.68,152.91 341.69,168.92 345.12,168.92 v1(345.42,169.22)
N1279406: length 49.5
  TOP w0.102: v1(345.42,168.4) 345.72,168.7 346.23,168.7 346.76,168.17 U1055.14 ; v2(323.55,139.16) 323.13,139.16 322.66,138.68 322.66,136.32 322.04,135.71 321.38,135.71 R2618.2
  GND1 w0.102: v3(324.8,140.3) 324.27,140.3 323.55,139.58 v2(323.55,139.16)
  SIG1 w0.102: v1(345.42,168.4) 345.12,168.7 341.78,168.7 325.89,152.82 325.89,141.92 324.8,140.83 v3(324.8,140.3)
N1279470: length 4.9
  TOP w0.102: U1056.13 346.74,157.68 346.21,157.16 345.19,157.16 344.61,156.58 344.61,155.97 R2619.2
N1279490: length 4.5
  TOP w0.102: U1056.14 346.71,156.41 346.18,156.94 345.28,156.94 344.83,156.49 344.83,156.01 R2620.2
N1279494: length 4
  TOP w0.102: U1054.13 346.68,146.33 346.22,145.87 344.63,145.87 R2621.2
N1279498: length 4
  TOP w0.102: U1054.14 346.81,145.06 346.22,145.65 344.63,145.65 R2622.2
N1484073: length 7.6
  TOP w0.127: R2596.1 J68.1
N2248761: length 2.2
  TOP w0.203: U1076.2 376.89,103.42 376.63,103.68 R2515.2
N10357042: length 25.7
  TOP w0.127: R1352.1 219.79,354.63 R1353.2
  TOP w0.406: R1352.1 240.63,354.38 U1045.7
N10357278: length 3.7
  TOP w0.406: R1345.2 R1347.2 240.63,345.51 U1045.2
N10357291: length 23.2
  TOP w0.127: R1347.1 218.24,345.49 R1346.2
  TOP w0.406: U1045.1 239.36,345.72 R1347.1
N10359702: length 3.6
  TOP w0.127: R1361.2 R1363.1
  TOP w0.406: U1048.7 196.04,353.21 R1363.1
N10359726: length 3.2
  TOP w0.406: U1048.6 196.69,354.09 R1363.2 R1364.2
N10360290: length 3.2
  TOP w0.406: U1048.2 196.04,345.79 R1356.2 R1355.2
N10360314: length 3.6
  TOP w0.127: R1359.2 R1356.1
  TOP w0.406: U1048.1 195.39,346.67 R1356.1
N10371573: length 1.6
  TOP w0.127: R1349.1 267.46,353.89 U1044.4
N10371607: length 1.7
  TOP w0.127: R1350.2 270.01,346.79 U1044.7
N10371876: length 15.9
  TOP w0.127: R1358.2 211.19,345.85 R1357.2 196.69,346.93 U1048.3
N10371884: length 13
  TOP w0.127: U1048.5 197.36,352.38 R1362.2 198.79,352.58 R1360.2
N16629690: length 2.1
  TOP w0.813: J33.B28 390.58,132.97 R1365.1
N16629718: length 2.1
  TOP w0.813: R1367.1 390.58,135.51 J33.B30
N16632302: length 1.7
  TOP w0.127: J34.A31 v1(394.75,200.54)
  BOTTOM w0.508: R1370.2 395.7,200.54 v1(394.75,200.54)
N16632314: length 1.8
  TOP w0.305: J34.A37 v1(394.75,208.16)
  BOTTOM w0.305: v1(394.75,208.16) 394.75,208.15 R1371.2
N16632330: length 1.7
  TOP w0.305: J34.A39 v1(394.75,210.7)
  BOTTOM w0.305: R1373.2 395.7,210.7 v1(394.75,210.7)
N16632396: length 2.1
  TOP w0.508: R1372.1 390.58,209.43 J34.B38
N16632400: length 2.1
  TOP w0.813: R1374.1 390.58,211.97 J34.B40
N16654329: length 2.1
  TOP w0.813: J35.B28 390.58,260.48 R1366.1
N16654333: length 2.1
  TOP w0.813: J35.B30 390.59,263.02 R1368.1
N16706372: length 2.4
  TOP w0.127: R1341.1 D1.1
N16706987: length 2.4
  TOP w0.127: R1342.1 D2.1
N16707063: length 2.4
  TOP w0.127: R1343.1 D3.1
N16707139: length 2.4
  TOP w0.127: R1344.1 D4.1
N16754290: length 21.5
  TOP w0.254: 372.98,289.37 L3.1 ; L3.1 373.92,291.14 ; L3.1 373.92,287.6 ; L3.1 374.86,289.37 ; 375.63,289.36 C1471.1 ; C1471.1 376.63,288.48 ; C1471.1 377.64,289.36 ; C1471.1 376.63,290.23 ; R2536.1 376.58,286.51 ; R2536.1 376.02,285.93 ; R2536.1 375.46,286.51 ; R2536.1 376.02,287.1 ; C1469.1 378.97,290.04 ; C1469.1 379.72,289.35 ; C1469.1 378.97,288.66 ; C1469.1 378.22,289.35 ; 375.44,285.01 C1475.2 ; C1475.2 376.61,285.01 ; C1475.2 376.02,285.64 ; C1475.2 376.02,284.39 ; 380.15,287.2 U1077.20 ; U1077.20 U1077.19 ; U1077.20 380.46,287.78 ; U1077.19 380.96,287.65 380.54,288.06 ; U1077.19 380.65,287.78 ; 379.12,286.45 U1077.1 379.71,286.75 ; 380.22,289.35 C1470.1
N16754310: length 2.4
  TOP w0.127: C1476.1 385.49,285.45 U1077.13
N16754358: length 2.3
  TOP w0.127: U1077.3 378.28,285.45 377.85,285.01 C1475.1
N16754406: length 2.8
  TOP w0.127: R2531.2 384.5,284.95 U1077.12
N16754610: length 3.6
  TOP w0.127: R2539.2 378.49,282.47 378.49,283.74 379.19,284.45 U1077.5
N16754668: length 2.3
  TOP w0.127: R2540.2 380.46,283.02 U1077.6
N16754688: length 1.9
  TOP w0.127: U1077.7 380.96,282.1 R2541.2
N16754708: length 1.9
  TOP w0.127: R2542.2 381.96,282.1 U1077.9
N16754712: length 2.3
  TOP w0.127: R2543.2 382.46,283.02 U1077.10
N16754716: length 3.5
  TOP w0.127: U1077.11 383.63,284.45 384.35,283.72 384.35,282.55 R2544.2
N16832061: length 3.4
  TOP w0.254: U1078.2 344.13,323.54 R2557.2 343.93,321.85 R2558.1
N16833922: length 3.4
  TOP w0.254: R2560.1 346.93,323.39 R2559.2 346.73,323.59 U1078.6
N16834415: length 3.3
  TOP w0.254: U1078.13 344.13,333.47 R2563.2 344.13,333.48 R2564.1
N16836319: length 3.3
  TOP w0.254: R2566.1 348.25,238.05 R2565.2 348.45,239.75 U1079.2
N16842604: length 3.3
  TOP w0.254: R2568.1 351.24,238.1 R2567.2 351.05,239.79 U1079.6
N16842803: length 3.5
  TOP w0.254: R2570.1 351.04,249.79 R2569.2 351.05,249.77 U1079.9
N16843003: length 3.5
  TOP w0.254: U1079.13 348.45,249.8 R2571.2 348.45,249.81 R2572.1
N16843204: length 3.4
  TOP w0.254: R2574.1 348.48,206.84 R2573.2 348.7,208.55 U1080.2
N16843407: length 3.3
  TOP w0.254: R2576.1 351.5,206.94 R2575.2 351.3,208.63 U1080.6
N16843610: length 3.3
  TOP w0.254: U1080.9 351.29,216.68 R2577.2 351.28,218.5 R2578.1
N16843814: length 3.3
  TOP w0.254: U1080.13 348.7,218.51 R2579.2 348.71,219.99 R2580.1
N16844019: length 3.4
  TOP w0.254: U1081.2 355.13,108.83 R2581.2 355.14,108.53 R2582.1
N16844225: length 3.4
  TOP w0.254: U1081.6 356.92,110.71 R2583.2
  TOP w0.305: R2583.2 357.24,110.61 R2584.1
N16844432: length 3.3
  TOP w0.254: R2586.1 349.98,117.64 R2585.2 350,117.64 U1081.9
N16844640: length 3.3
  TOP w0.254: U1081.13 349.42,114.54 R2587.2 347.11,116.85 R2588.1
N16845119: length 3.3
  TOP w0.254: R2562.1 346.73,333.48 R2561.2 346.73,333.47 U1078.9
N167543981: length 2.4
  TOP w0.127: R2536.2 378.11,285.95 U1077.2
N1665546130: length 2
  TOP w0.508: J33.A31 v1(394.75,136.78)
  BOTTOM w0.508: R1369.2 394.75,136.78 v1(394.75,136.78)

## Copper pours and planes (outline as drawn; the poured copper is in the pictures)
+5VIN on BOTTOM: 375.41,91.74 375.41,78.51 398.73,78.51 398.73,91.74
GND on TOP: 324.31,49.76 324.31,44.58 327.36,44.58 327.36,49.76
GND on TOP: 232.46,38.4 232.46,35.51 239.85,35.51 239.85,38.4
GND on TOP: 160.22,356.69 160.22,347.29 164.11,347.29 164.11,356.69
GND on TOP: 187.53,327.58 187.53,321.77 190.27,321.77 190.27,327.58
GND on TOP: 93.12,161.72 93.12,184.15 100.94,184.15 100.94,181.79 108.28,181.79 108.28,181.25 111.68,181.25 111.68,172.64 101.3,172.64 101.3,161.72
GND on TOP: 27.71,39.83 27.71,36.93 35.1,36.93 35.1,39.83
GND on TOP: 91.82,82.12 91.82,93.65 97.23,93.65 97.23,103.2 109.3,103.2 109.3,99.52 114.86,99.52 114.86,94.82 109.3,94.82 109.3,93.37 101.3,93.37 101.3,82.12
GND on TOP: 354.3,207.37 354.3,203.48 360.35,203.48 360.35,207.37
GND on TOP: 100.81,342.39 100.81,333.88 113.08,333.88 113.08,342.39
GND on TOP: 337.69,320.14 337.69,309.96 348.39,309.96 348.39,320.14
GND on TOP: 33.2,167.69 33.2,171.07 30.23,171.07 30.23,180.19 40.84,180.19 40.84,167.69
GND on TOP: 327.79,201.35 327.79,191.52 338.12,191.52 338.12,201.35
GND on TOP: 142.42,346.13 142.42,336.45 151.64,336.45 151.64,346.13
GND on TOP: 55.19,359.89 55.19,356.46 67.46,356.46 67.46,359.89
GND on TOP: 92.41,242.09 92.41,251.59 93.37,251.59 93.37,255.24 93.09,255.24 93.09,264.31 101.19,264.31 101.19,261.75 110.41,261.75 110.41,260.17 114.55,260.17 114.55,253.11 101.12,253.11 101.12,242.09
GND on TOP: 161.72,25.81 161.72,22.53 169.11,22.53 169.11,25.81
GND on TOP: 168.15,201.5 168.15,191.64 178.84,191.64 178.84,201.5
GND on TOP: 81.58,23.14 81.58,20.24 88.98,20.24 88.98,23.14
GND on TOP: 246.15,41.61 246.15,31.78 256.49,31.78 256.49,41.61
GND on TOP: 221.69,341.38 221.69,332.64 229.82,332.64 229.82,341.38
GND on TOP: 331.88,181.76 331.88,175.56 333.1,175.56 333.1,171.73 331.88,171.73 331.88,168.4 333.81,168.4 333.81,164.49 332.28,164.49 332.28,163.04 333.45,161.87 341.66,161.87 341.66,181.76
GND on TOP: 313.08,118.57 313.08,117.07 324.54,117.07 324.54,118.57
GND on TOP: 186.56,167.51 186.56,162.81 189.84,162.81 189.84,167.51
GND on TOP: 251.1,100.89 251.1,95.71 254.03,95.71 254.03,100.89
GND on TOP: 228.55,353.03 228.55,346.94 232.44,346.94 232.44,353.03
GND on TOP: 277.75,353.11 277.75,347.35 281.64,347.35 281.64,353.11
GND on TOP: 326.8,41.94 326.8,32.11 337.13,32.11 337.13,41.94
GND on TOP: 361.34,141 361.34,135.74 364.31,135.74 364.31,141
GND on TOP: 250.93,331.34 250.93,322.61 261.54,322.61 261.54,331.34
GND on TOP: 171.37,100.89 171.37,95.71 174.27,95.71 174.27,100.89
GND on TOP: 171.3,242.8 171.3,251.76 174.02,251.76 174.02,253.49 173.23,253.49 173.23,264.31 180.9,264.31 180.9,261.62 183.92,261.62 183.92,261.29 192.3,261.29 192.3,259.89 194.74,259.89 194.74,254.97 192.3,254.97 192.3,253.06 181.31,253.06 181.31,242.8
GND on TOP: 172.31,356.59 172.31,350.49 176.2,350.49 176.2,356.59
GND on TOP: 17.93,29.11 17.93,18.62 28.27,18.62 28.27,29.11
GND on TOP: 232.31,278.84 232.31,276.07 239.17,276.07 239.17,278.84
GND on TOP: 317.55,22.73 317.55,19.66 324.94,19.66 324.94,22.73
GND on TOP: 88.47,201.27 88.47,191.64 97.94,191.64 97.94,201.27
GND on TOP: 252.68,242.72 252.68,264.03 261.32,264.03 261.32,259.61 264.67,259.61 264.67,254.46 261.32,254.46 261.32,242.72
GND on TOP: 333.35,241.02 333.35,269.57 334.37,269.57 334.37,271.65 327.56,271.65 327.56,280.31 336.78,280.31 336.78,272.21 341.63,272.21 341.63,241.02
GND on TOP: 91.9,291.74 91.9,287.73 98.76,287.73 98.76,291.74
GND on TOP: 313.56,279.43 313.56,276.35 320.42,276.35 320.42,279.43
GND on TOP: 364.59,214.96 364.59,209.7 367.49,209.7 367.49,214.96
GND on TOP: 167.23,121.23 167.23,111.63 176.78,111.63 176.78,121.23
GND on TOP: 61.39,260.35 61.39,257.25 67.06,257.25 67.06,260.35
GND on TOP: 173.1,161.87 173.1,184.18 180.85,184.18 180.85,181.81 187.17,181.81 187.17,181.25 190.78,181.25 190.78,172.64 180.9,172.64 180.9,161.87
GND on TOP: 173.56,332.18 173.56,322.5 181.69,322.5 181.69,332.18
GND on TOP: 152.93,199.54 152.93,196.44 159.79,196.44 159.79,199.54
GND on TOP: 247.5,120.75 247.5,111.63 257.4,111.63 257.4,120.75
GND on TOP: 248.51,200.66 248.51,190.83 258.29,190.83 258.29,200.66
GND on TOP: 181.31,352.63 181.31,346.35 184.99,346.35 184.99,352.63
GND on TOP: 327.66,121.28 327.66,112.65 337.62,112.65 337.62,121.28
GND on TOP: 78.71,43.64 78.71,38.68 81.71,38.68 81.71,43.64
GND on TOP: 360.93,170.08 360.93,164.82 363.83,164.82 363.83,170.08
GND on TOP: 172.52,91.74 172.52,82.22 180.97,82.22 180.97,91.74
GND on TOP: 32.08,326.39 32.08,331.52 25.04,331.52 25.04,341.43 34.26,341.43 34.26,332 35.2,332 35.2,326.39
GND on TOP: 201.42,352.25 201.42,346.15 205.31,346.15 205.31,352.25
GND on TOP: 27.2,186.21 27.2,181.28 30.12,181.28 30.12,186.21
GND on TOP: 370.13,188.39 370.13,183.13 373.86,183.13 373.86,188.39
GND on TOP: 228.52,118.82 228.52,116.59 241.99,116.59 241.99,118.82
GND on TOP: 267.72,327.66 267.72,322.45 270.66,322.45 270.66,327.66
GND on TOP: 28.02,262.48 28.02,252.58 38.3,252.58 38.3,262.48
GND on TOP: 290.8,351.76 290.8,341.45 317.73,341.45 317.73,351.76
GND on TOP: 28.7,270.56 28.7,265.63 31.57,265.63 31.57,270.56
GND on TOP: 355.47,182.8 355.47,189.31 361.65,189.31 361.65,182.8
GND on TOP: 73.05,119.2 73.05,115.67 78.66,115.67 78.66,119.2
GND on TOP: 233.15,198.68 233.15,196.52 242.6,196.52 242.6,198.68
GND on TOP: 107.42,327.56 107.42,322.55 110.44,322.55 110.44,327.56
GND on TOP: 96.98,18.47 96.98,31.01 88.19,31.01 88.19,40.84 98.53,40.84 98.53,35.66 104.27,35.66 104.27,28.3 109.65,28.3 109.65,18.47
GND on TOP: 313,199.62 313,197.28 319.86,197.28 319.86,199.62
GND on TOP: 241.81,25.25 241.81,21.97 249.2,21.97 249.2,25.25
GND on TOP: 266.6,167.64 266.6,163.22 269.82,163.22 269.82,167.64
GND on TOP: 223.98,353.62 223.98,347.52 227.86,347.52 227.86,353.62
GND on TOP: 152.81,119.28 152.81,116.31 158.39,116.31 158.39,119.28
GND on TOP: 37.29,348.23 37.29,338.15 46.51,338.15 46.51,348.23
GND on TOP: 368.78,96.01 368.78,92.41 374.37,92.41 374.37,96.01
GND on TOP: 26.97,100.66 26.97,95.48 30.33,95.48 30.33,100.66
GND on TOP: 158.45,43.59 158.45,38.71 161.42,38.71 161.42,43.59
GND on TOP: 259.44,18.82 259.44,34.29 264.08,34.29 264.08,28.65 269.77,28.65 269.77,18.82
GND on TOP: 332.21,91.77 332.21,82.5 342.21,82.5 342.21,91.77
GND on TOP: 152.7,279.02 152.7,276.38 159.56,276.38 159.56,279.02
GND on TOP: 251.31,91.77 251.31,82.63 261.04,82.63 261.04,89.79 259.77,89.79 259.77,91.77
GND on TOP: 177.5,19.25 177.5,31.37 168.28,31.37 168.28,41.2 178.61,41.2 178.61,36.35 184.25,36.35 184.25,29.08 190.88,29.08 190.88,19.25
GND on TOP: 261.65,102.13 261.65,93.09 272.01,93.09 272.01,102.13
GND on TOP: 318.34,44.53 318.34,39.34 321.31,39.34 321.31,44.53
GND on TOP: 93.07,331.85 93.07,322.17 101.32,322.17 101.32,331.85
GND on TOP: 181.43,101.68 181.43,92.94 191.16,92.94 191.16,101.68
GND on TOP: 106.73,167.67 106.73,162.81 110.44,162.81 110.44,167.67
GND on TOP: 373.08,112.17 373.08,108.84 381.56,108.84 381.56,112.17
GND on TOP: 360.6,158.75 360.6,153.26 363.65,153.26 363.65,158.75
GND on TOP: 363.75,243.26 363.75,237.29 367.28,237.29 367.28,243.26
GND on TOP: 86.54,281.28 86.54,272.16 96.55,272.16 96.55,281.28
GND on TOP: 73,199.54 73,196.65 80.39,196.65 80.39,199.54
GND on TOP: 248.84,281.03 248.84,271.53 258.52,271.53 258.52,281.03
GND on TOP: 359.66,111.25 359.66,107.31 368.15,107.31 368.15,111.25
GND on TOP: 352.58,350.93 352.58,345.67 356.01,345.67 356.01,350.93
GND on TOP: 88.21,120.75 88.21,111.66 97.26,111.66 97.26,120.75
GND on TOP: 259.31,353.59 259.31,347.5 263.19,347.5 263.19,353.59
GND on TOP: 349.38,263.5 351.66,261.21 355.1,264.66 352.82,266.94
GND on TOP: 168.4,281.56 168.4,271.37 178.1,271.37 178.1,281.56
GND on TOP: 26.62,78.49 26.62,93.4 40.36,93.4 40.36,84.48 29.82,84.48 29.82,78.49
GND on TOP: 252.91,163.35 252.91,171.78 253.14,171.78 253.14,184.4 261.19,184.4 261.19,181.56 271.37,181.56 271.37,183.36 280.16,183.36 280.16,173.18 261.26,173.18 261.26,163.35
GND on TOP: 184.33,343.28 184.33,333.6 192.46,333.6 192.46,343.28
GND on BOTTOM: 360.95,368.38 365.95,368.38 371.48,373.9 371.48,373.9 373.88,373.9 373.88,371.49 373.89,371.49 368.13,365.73 368.13,360.63 360.95,360.63
GND on BOTTOM: 368.3,13.49 368.3,8.48 373.82,2.96 373.82,2.96 373.82,0.55 371.41,0.55 371.41,0.55 365.66,6.3 360.55,6.3 360.55,13.49
GND on BOTTOM: 13.46,6.05 8.46,6.05 2.93,0.52 2.93,0.52 0.52,0.52 0.52,2.93 0.52,2.93 6.27,8.69 6.27,13.79 13.46,13.79
GND on BOTTOM: 6.02,360.96 6.02,365.96 0.5,371.49 0.5,371.49 0.5,373.9 2.91,373.9 2.91,373.9 8.66,368.15 13.77,368.15 13.77,360.96
GND on GND1, GND2, GND3: 1.02,1.02 373.38,1.02 373.38,78.03 399.21,78.03 399.21,296.37 373.38,296.37 373.38,373.38 1.02,373.38
GND on SIG1: 86.74,255.47 121.08,255.47 145.54,231.01 162.61,231.01 162.61,152.93 150.22,152.93 125.65,177.5 86.74,177.5
GND on SIG1: 247.62,95.3 281.48,95.3 306.98,69.8 306.98,35.99 304.04,33.05 248.74,33.05 246.25,35.53 246.25,46.86 247.62,48.23
GND on SIG1: 89.08,96.6 108.76,96.6 134.95,70.41 162.13,70.41 162.13,33.1 89.08,33.1
GND on SIG1: 86.44,174.19 120.78,174.19 144.78,150.19 162.84,150.19 162.84,74.3 137.41,74.3 112.01,99.69 86.44,99.69
GND on SIG1: 167.49,255.52 167.49,179.6 186.21,179.6 210.54,155.27 244.91,155.27 244.91,195.45 247.6,198.15 247.6,231.39 225.07,231.39 200.94,255.52
GND on SIG1: 306.45,155.8 284.96,177.29 247.95,177.29 247.95,193.14 251.46,196.65 251.46,273 245.62,278.84 235.53,278.84 229.36,285.01 229.36,304.65 221.77,312.24 221.77,316.28 191.87,346.18 188.87,346.18 188.87,349.58 193.73,354.43 234.65,354.43 237.9,351.18 303.68,351.18 303.68,314.02 310.59,307.11 310.59,286.41 324.99,286.41 337.9,273.51 337.9,258.67 331.47,258.67 308.84,236.04 307.09,236.04 307.09,262.31 317.96,273.18 313.08,273.18 303.68,263.78 303.68,207.67 312.47,198.88 312.47,188.06 306.45,182.04
GND on SIG1: 332.31,256.01 344.88,256.01 369.57,231.32 371.93,231.32 371.93,225.25 361.26,225.25 354.71,231.8 326.8,231.8 325.91,230.91 323.42,230.91 322.81,230.3 308.41,230.3 308.41,232.11
GND on SIG1: 188.98,344.35 188.98,295.5 167.16,273.69 167.16,259.08 204.9,259.08 229.24,234.75 247.75,234.75 247.75,271.22 243.1,275.87 234.52,275.87 226.14,284.25 226.14,304.06 218.97,311.23 218.97,315.52 190.14,344.35
GND on SIG1: 399.21,172.75 385.62,172.75 353.26,140.39 363.17,140.39 372.11,149.33 399.21,149.33
GND on SIG1: 7.39,373.38 38.02,342.75 43.92,342.75 43.92,338.91 51.45,331.38 57.76,337.69 73.74,337.69 73.74,346.25 61.49,346.25 61.49,351.82 73.58,351.82 81.41,359.64 145.29,359.64 147.47,361.82 321.64,361.82 332.31,351.15 340.44,351.15 363.47,328.12 363.47,277.16 365.91,274.73 399.21,274.73 399.21,296.37 373.38,296.37 373.38,373.38
GND on SIG1: 167.08,174.45 167.08,98.73 204.34,98.73 229.57,73.51 244.5,73.51 244.5,106.88 244.07,106.45 244.07,150.77 208.28,150.77 184.61,174.45
GND on SIG1: 1.02,1.02 1.02,87.1 36.09,87.1 52.17,71.02 69.37,71.02 69.37,74.3 57.58,74.3 40.34,91.54 1.02,91.54 1.02,172.95 43.84,172.95 43.84,172.64 66.37,150.11 69.24,152.98 46.13,176.1 1.02,176.1 1.02,255.45 38.3,255.45 62.08,231.67 67.79,231.67 69.06,232.94 43.54,258.47 42.52,258.47 42.21,258.17 1.02,258.17 1.02,373.38 2.54,373.38 72.09,303.83 72.09,275.84 82.96,264.97 82.96,34.47 88.11,29.31 169.09,29.31 169.09,41.4 167.16,43.33 167.16,95.89 200.15,95.89 225.37,70.66 242.67,70.66 242.67,28.73 304.42,28.73 309.78,34.09 309.78,45.72 323.75,45.72 354.41,76.38 354.41,20.12 361.06,20.12 361.06,75.39 372.08,86.41 380.75,86.41 390.22,95.89 399.21,95.89 399.21,78.03 373.38,78.03 373.38,1.04 373.41,1.02
GND on SIG1: 316.2,122.94 354.3,122.94 375.95,144.58 399.21,144.58 399.21,139.75 381.79,139.75 335.48,93.45 326.03,93.45 326.03,80.9 316.59,71.45 310.18,71.45 310.18,109.93 316.2,115.95
GND on SIG1: 309.27,350.93 316.23,350.93 337.29,329.87 346.43,329.87 358.19,318.11 358.19,281.58 352.65,281.58 352.65,299.31 339.39,312.57 309.27,312.57
GND on SIG1: 52.62,329.53 58.95,335.86 77.06,335.86 80.67,339.47 146.63,339.47 146.63,310.24 148.41,310.24 148.41,353.16 151.36,356.11 186.49,356.11 186.49,298.17 162.92,274.6 162.92,233.32 149,233.32 123.01,259.31 94.64,259.31 79.68,274.27 79.68,302.46
GND on SIG1: 248.41,174.14 282.96,174.14 306.7,150.39 306.7,124.59 311.45,119.84 311.45,115.27 307.04,110.85 307.04,76.76 284.94,98.86 248.41,98.86
GND on SIG2: 344.17,230.68 364.74,230.68 367.67,227.76 399.21,227.76 399.21,195.1 377.01,195.1 368.94,203.17 347.78,203.17 347.78,207.92 348.36,208.51 355.65,208.51 357.45,206.71 366.34,206.71 375.11,215.47 378.43,215.47 378.43,222.2 376.89,222.2 364.92,210.24 357,210.24 351.97,215.26 351.97,217.14 347.83,217.14 346.63,215.95 344.17,215.95
GND on SIG2: 70.38,211.56 61.49,220.45 61.49,292.46 63.73,292.46 72.85,283.34 131.27,283.34 133.22,285.29 155.96,285.29 159.13,282.12 209.55,282.12 212.65,285.22 233.81,285.22 242.49,276.53 303.58,276.53 312.39,285.34 319.18,285.34 334.06,270.46 334.06,267.54 321.97,255.45 321.97,246 78.61,246 69.09,236.47 69.09,225.4 70.38,224.1
GND on SIG2: 77.17,231.95 84.76,239.55 319,239.55 325.91,232.64 325.91,230.96 77.17,230.96
GND on SIG2: 76.28,151.23 84.86,159.82 321.97,159.82 326.92,154.86 337.19,154.86 337.19,150.67 313.56,150.67 313,151.23
GND on SIG2: 76.86,71.07 76.86,71.58 82.45,77.17 317.35,77.17 317.35,76 312.42,71.07
GND on SIG2: 52.5,142.14 53.95,142.14 70.99,125.09 78.38,125.09 80.52,122.96 130.86,122.96 133.25,125.35 158.52,125.35 161.01,122.86 210.85,122.86 213.33,125.35 239.22,125.35 241.91,122.66 294.36,122.66 297.05,125.35 327.91,125.35 328.68,124.59 337.01,124.59 337.01,96.27 335.61,94.87 327.79,94.87 317.83,84.91 73.71,84.91 73.69,84.94 67.26,78.51 67.26,66.85 70.89,63.22 70.89,52.2 69.77,52.2 51.08,70.89 51.08,140.72
